# KiCad board antmicro-jetson-agx-csi-adapter.kicad_pcb (continued)
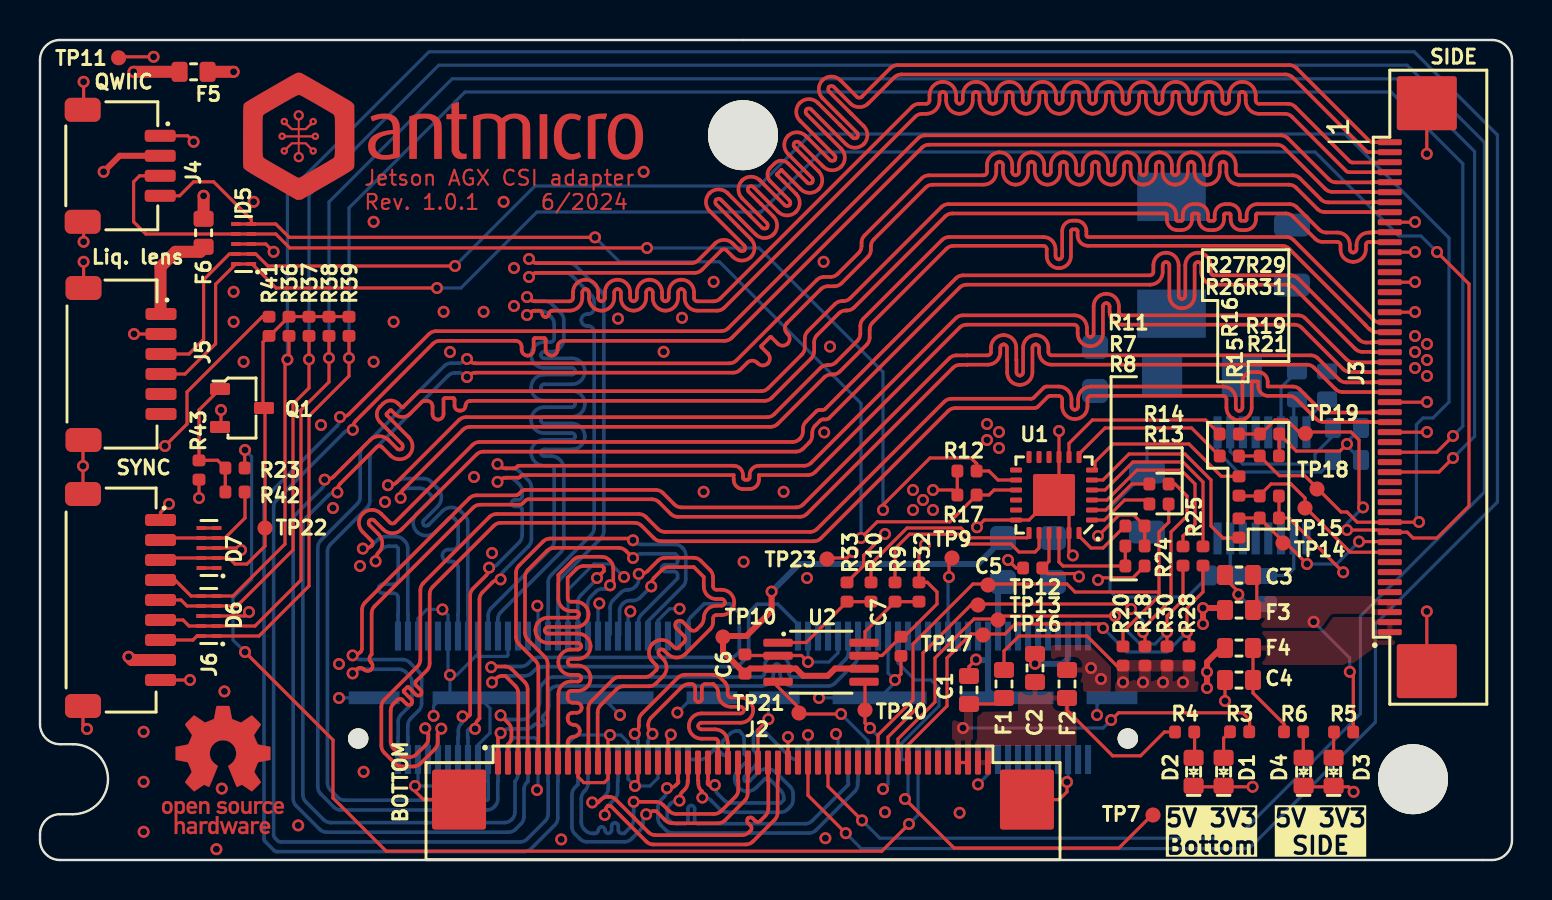
[diagram p0: board, top side]
## Footprints (pads in the part's own frame, mm; a bottom-side part is the same pattern mirrored in y, then rotated)
C_0402_1005Metric
  rrect 0.59x0.64 smd: 1(-0.48,0) 2(0.48,0)
C_0603_1608Metric
  rrect 0.8x1 smd: 1(-0.7,0) 2(0.7,0)
C_1206_3216Metric
  rrect 1.15x1.8 smd: 1(-1.5,-0.001) 2(1.5,-0.001)
Conn_FFC_WE_68715014x22
  rrect 0.3x1.2 smd: 1(-12.25,2.15) 2(-11.75,2.15) 3(-11.25,2.15) 4(-10.75,2.15) 5(-10.25,2.15) 6(-9.75,2.15) 7(-9.25,2.15) 8(-8.75,2.15) 9(-8.25,2.15) 10(-7.75,2.15) 11(-7.25,2.15) 12(-6.75,2.15) 13(-6.25,2.15) 14(-5.75,2.15) 15(-5.25,2.15) 16(-4.75,2.15) 17(-4.25,2.15) 18(-3.75,2.15) 19(-3.25,2.15) 20(-2.75,2.15) 21(-2.25,2.15) 22(-1.75,2.15) 23(-1.25,2.15) 24(-0.75,2.15) 25(-0.25,2.15) 26(0.248,2.15) 27(0.748,2.15) 28(1.249,2.15) 29(1.749,2.15) 30(2.249,2.15) 31(2.749,2.15) 32(3.249,2.15) 33(3.749,2.15) 34(4.248,2.15) 35(4.748,2.15) 36(5.248,2.15) 37(5.749,2.15) 38(6.249,2.15) 39(6.749,2.15) 40(7.249,2.15) 41(7.749,2.15) 42(8.249,2.15) 43(8.749,2.15) 44(9.249,2.15) 45(9.749,2.15) 46(10.249,2.15) 47(10.749,2.15) 48(11.249,2.15) 49(11.749,2.15) 50(12.249,2.15)
  rrect 2.7x3 smd: MP1(-14.198,0.3) MP2(14.198,0.3)
Conn_FFC_WE_68715014x22_CUSTOM_FLIPPED
  rrect 0.3x1.2 smd: 1(12.249,2.15) 2(11.749,2.15) 3(11.249,2.15) 4(10.749,2.15) 5(10.249,2.15) 6(9.749,2.15) 7(9.249,2.15) 8(8.749,2.15) 9(8.249,2.15) 10(7.749,2.15) 11(7.249,2.15) 12(6.749,2.15) 13(6.249,2.15) 14(5.749,2.15) 15(5.248,2.15) 16(4.748,2.15) 17(4.248,2.15) 18(3.749,2.15) 19(3.249,2.15) 20(2.749,2.15) 21(2.249,2.15) 22(1.749,2.15) 23(1.249,2.15) 24(0.748,2.15) 25(0.248,2.15) 26(-0.25,2.15) 27(-0.75,2.15) 28(-1.25,2.15) 29(-1.75,2.15) 30(-2.25,2.15) 31(-2.75,2.15) 32(-3.25,2.15) 33(-3.75,2.15) 34(-4.25,2.15) 35(-4.75,2.15) 36(-5.25,2.15) 37(-5.75,2.15) 38(-6.25,2.15) 39(-6.75,2.15) 40(-7.25,2.15) 41(-7.75,2.15) 42(-8.25,2.15) 43(-8.75,2.15) 44(-9.25,2.15) 45(-9.75,2.15) 46(-10.25,2.15) 47(-10.75,2.15) 48(-11.25,2.15) 49(-11.75,2.15) 50(-12.25,2.15)
  rrect 2.7x3 smd: MP1(-14.198,0.3) MP2(14.198,0.3)
Conn_JST_SH_1x4_SM04B-SRSS-TB-LF-SN
  rrect 0.6x1.55 smd: 1(-1.5,2.12) 2(-0.5,2.12) 3(0.5,2.12) 4(1.5,2.12)
  rrect 1.2x1.8 smd: MP(-2.8,-1.755) MP(2.8,-1.755)
Conn_JST_SH_1x6_SM06B-SRSS-TB-LF-SN
  rrect 0.6x1.55 smd: 1(-2.5,2.1) 2(-1.5,2.1) 3(-0.5,2.1) 4(0.5,2.1) 5(1.5,2.1) 6(2.5,2.1)
  rrect 1.2x1.8 smd: MP(-3.8,-1.775) MP(3.8,-1.775)
Conn_JST_SH_1x9_SM09B-SRSS-TB-LF-SN
  rrect 0.6x1.55 smd: 1(-4,2.12) 2(-3,2.12) 3(-2,2.12) 4(-1,2.12) 5(0,2.12) 6(1,2.12) 7(2,2.12) 8(3,2.12) 9(4,2.12)
  rrect 1.2x1.8 smd: MP(-5.3,-1.755) MP(5.3,-1.755)
Conn_Plug_Samtec_QTH_2x60_QTH-060-03-L-D-A
  round 1.02 hole 1.02 unplated: (-19.239,2.036) (19.239,2.036)
  rect 0.305x1.45 smd: 1(-17.251,3.086) 2(-17.251,-3.086) 3(-16.751,3.086) 4(-16.751,-3.086) 5(-16.251,3.086) 6(-16.251,-3.086) 7(-15.751,3.086) 8(-15.751,-3.086) 9(-15.251,3.086) 10(-15.251,-3.086) 11(-14.751,3.086) 12(-14.751,-3.086) 13(-14.251,3.086) 14(-14.251,-3.086) 15(-13.751,3.086) 16(-13.751,-3.086) 17(-13.251,3.086) 18(-13.251,-3.086) 19(-12.751,3.086) 20(-12.751,-3.086) 21(-12.251,3.086) 22(-12.251,-3.086) 23(-11.751,3.086) 24(-11.751,-3.086) 25(-11.251,3.086) 26(-11.251,-3.086) 27(-10.751,3.086) 28(-10.751,-3.086) 29(-10.251,3.086) 30(-10.251,-3.086) 31(-9.751,3.086) 32(-9.751,-3.086) 33(-9.251,3.086) 34(-9.251,-3.086) 35(-8.751,3.086) 36(-8.751,-3.086) 37(-8.251,3.086) 38(-8.251,-3.086) 39(-7.751,3.086) 40(-7.751,-3.086) 41(-7.251,3.086) 42(-7.251,-3.086) 43(-6.751,3.086) 44(-6.751,-3.086) 45(-6.251,3.086) 46(-6.251,-3.086) 47(-5.751,3.086) 48(-5.751,-3.086) 49(-5.251,3.086) 50(-5.251,-3.086) 51(-4.751,3.086) 52(-4.751,-3.086) 53(-4.251,3.086) 54(-4.251,-3.086) 55(-3.751,3.086) 56(-3.751,-3.086) 57(-3.251,3.086) 58(-3.251,-3.086) 59(-2.751,3.086) 60(-2.751,-3.086) 61(2.751,3.086) 62(2.751,-3.086) 63(3.251,3.086) 64(3.251,-3.086) 65(3.751,3.086) 66(3.751,-3.086) 67(4.252,3.086) 68(4.252,-3.086) 69(4.752,3.086) 70(4.752,-3.086) 71(5.252,3.086) 72(5.252,-3.086) 73(5.752,3.086) 74(5.752,-3.086) 75(6.252,3.086) 76(6.252,-3.086) 77(6.752,3.086) 78(6.752,-3.086) 79(7.252,3.086) 80(7.252,-3.086) 81(7.752,3.086) 82(7.752,-3.086) 83(8.252,3.086) 84(8.252,-3.086) 85(8.752,3.086) 86(8.752,-3.086) 87(9.252,3.086) 88(9.252,-3.086) 89(9.752,3.086) 90(9.752,-3.086) 91(10.252,3.086) 92(10.252,-3.086) 93(10.752,3.086) 94(10.752,-3.086) 95(11.252,3.086) 96(11.252,-3.086) 97(11.752,3.086) 98(11.752,-3.086) 99(12.252,3.086) 100(12.252,-3.086) 101(12.752,3.086) 102(12.752,-3.086) 103(13.252,3.086) 104(13.252,-3.086) 105(13.752,3.086) 106(13.752,-3.086) 107(14.252,3.086) 108(14.252,-3.086) 109(14.752,3.086) 110(14.752,-3.086) 111(15.252,3.086) 112(15.252,-3.086) 113(15.752,3.086) 114(15.752,-3.086) 115(16.251,3.086) 116(16.251,-3.086) 117(16.752,3.086) 118(16.752,-3.086) 119(17.252,3.086) 120(17.252,-3.086)
  rect 2.54x0.64 smd: MP(-18.441,0) MP(-1.551,0) MP(1.562,0) MP(18.452,0)
  rect 4.7x0.64 smd: MP(-13.172,0) MP(-6.822,0) MP(6.833,0) MP(13.183,0)
D_SMA
  rect 2.007x2.007 smd: 1(-1.995,0) 2(1.995,0)
F_0603_1608Metric
  rrect 0.8x1 smd: 1(-0.7,0) 2(0.7,0)
L_2525_6363Metric
  rect 2.413x3.429 smd: 1(-2.908,0.027) 2(2.934,0.027)
LED_0603_1608Metric_G
  rrect 0.8x1 smd: 1(-0.7,0) 2(0.7,0)
MP_NPTH_Drill3.5mm
  round 3.5 hole 3.5 unplated: (0,0)
Nexperia_DFN-10_2.5x1mm_P0.5mm
  rect 0.2x0.475 smd: 1(-1,-0.388) 2(-0.5,-0.388) 3(0,-0.388) 4(0.5,-0.388) 5(1,-0.388) 6(1,0.388) 7(0.5,0.388) 8(0,0.388) 9(-0.501,0.388) 10(-1,0.388)
QSOP-16_3.9x4.9mm_P0.635mm
  rect 1.6x0.41 smd: 1(-2.656,2.223) 2(-2.656,1.589) 3(-2.656,0.954) 4(-2.656,0.318) 5(-2.656,-0.315) 6(-2.656,-0.951) 7(-2.656,-1.586) 8(-2.656,-2.221) 9(2.652,-2.221) 10(2.652,-1.586) 11(2.652,-0.951) 12(2.652,-0.315) 13(2.652,0.318) 14(2.652,0.954) 15(2.652,1.589) 16(2.652,2.223)
R_0402_1005Metric
  rrect 0.59x0.64 smd: 1(-0.48,0) 2(0.48,0)
R_0603_1608Metric
  rrect 0.8x1 smd: 1(-0.7,0) 2(0.7,0)
R_0805_2012Metric
  rrect 1.2x1.3 smd: 1(-1.1,0) 2(1.1,0)
SOT-23-3
  rrect 1x0.6 smd: 1(-1.1,0.951) 2(-1.1,-0.949) 3(1.1,0.001)
TP_SMD_0.75mm
  round 0.75 smd: 1(0,0)
TSSOP-8_3x3mm_P0.65mm
  rrect 1.47x0.4 smd: 1(-2.148,0.962) 2(-2.148,0.313) 3(-2.148,-0.338) 4(-2.148,-0.987) 5(2.151,-0.987) 6(2.151,-0.338) 7(2.151,0.313) 8(2.151,0.962)
VQFN-24-1EP_3.8x3.8x1.0mm_P0.5mm
  rrect 0.6x0.25 smd: 1(-1.901,1.25) 2(-1.901,0.75) 3(-1.901,0.25) 4(-1.901,-0.248) 5(-1.901,-0.748) 6(-1.901,-1.249) 13(1.898,-1.249) 14(1.898,-0.748) 15(1.898,-0.248) 16(1.898,0.25) 17(1.898,0.75) 18(1.898,1.252)
  rrect 0.25x0.6 smd: 7(-1.252,-1.898) 8(-0.751,-1.898) 9(-0.25,-1.898) 10(0.248,-1.898) 11(0.748,-1.898) 12(1.249,-1.898) 19(1.249,1.901) 20(0.748,1.901) 21(0.248,1.901) 22(-0.25,1.901) 23(-0.75,1.901) 24(-1.252,1.901)
  rrect 2.1x2.1 smd: 25(0,0.001)

## Nets
+1V8: C6.2 R1.2 TP10.1 U2.3 U2.6
+3V3: C5.2 C7.2 C8.2 F1.2 F3.2 F5.2 L1.1 R2.2 R7.2 R11.2 R12.2 R17.2 R18.2 R19.2 R20.2 R21.2 R28.2 R29.2 R30.2 R31.2 R32.2 R33.2 R34.2 R35.2 R41.2 TP11.1 U1.21 U2.7
+5V: F2.2 F4.2 F6.2 R22.2 TP23.1
/Auxiliary/3V3_AUX_F: F5.1 J4.2 J6.8
/Auxiliary/5V_C: C12.2 D8.1 R22.1 R40.2
/Auxiliary/5V_LL: F6.1 J5.1
/Interface/1V8_CONN: J1.102 R1.1
/Interface/3V3_CONN: J1.108 J1.110 J1.118 J1.120 R2.1
/Interface/3V3_FFC_B: C1.1 F1.1 J2.47 J2.48 R3.1
/Interface/3V3_FFC_S: C3.1 F3.1 J3.47 J3.48 R5.1
/Interface/5V_FFC_B: C2.1 F2.1 J2.49 J2.50 R4.1
/Interface/5V_FFC_S: C4.1 F4.1 J3.49 J3.50 R6.1
AVDD_CAM_2V8: J1.81 J1.82 J1.83 TP7.1
GND: C1.2 C2.2 C3.2 C4.2 C5.1 C6.1 C7.1 C8.1 C9.1 C10.2 C11.1 C12.1 D1.1 D2.1 D3.1 D4.1 D5.3 D5.8 D6.3 D6.8 D7.3 D7.8 J1.5 J1.6 J1.11 J1.12 J1.17 J1.18 J1.23 J1.24 J1.29 J1.30 J1.35 J1.36 J1.41 J1.42 J1.47 J1.48 J1.53 J1.54 J1.63 J1.64 J1.69 J1.70 J1.79 J1.80 J1.99 J1.100 J1.115 J1.116 J1.MP J2.9 J2.12 J2.15 J2.18 J2.27 J2.30 J2.MP1 J2.MP2 J3.9 J3.12 J3.15 J3.18 J3.27 J3.30 J3.MP1 J3.MP2 J4.1 J4.MP J5.2 J5.MP J6.1 J6.9 J6.MP Q1.2 R8.1 R43.1 U1.9 U1.18 U1.23 U1.25 U2.2 U3.6 U3.9 U3.11 U3.12 U3.13 U3.14
/Auxiliary/AUX_I2C_SCL: D5.5 D5.6 J4.4 R17.1 U1.15
/Auxiliary/AUX_I2C_SDA: D5.4 D5.7 J4.3 R12.1 U1.14
/Auxiliary/CAM_SYNC: Q1.1 R23.1 R42.1 R43.2
/Auxiliary/CAM_SYNC_3V3: D7.2 D7.9 J6.3 Q1.3 R36.2 R37.2 R38.2 R39.2 R41.1 TP22.1
/Auxiliary/EXT_CAM_SYNC: D7.4 D7.7 J6.2 R42.2
/Auxiliary/MAX_OUT: C11.2 R40.1 U3.10 U3.15 U3.16
/Auxiliary/SCL_3V3: R10.1 R33.1 U2.1
/Auxiliary/SDA_3V3: R9.1 R32.1 U2.8
/Interface/CAM1_RST: J1.92 TP9.1
/Interface/CAM1_RST_3V3: J3.33
/Interface/CAM_RST_3V3: J2.33
/Interface/CSI0_CLK_N: J1.9 J3.28
/Interface/CSI0_CLK_P: J1.7 J3.29
/Interface/CSI0_D0_N: J1.3 J3.25
/Interface/CSI0_D0_P: J1.1 J3.26
/Interface/CSI0_D1_N: J1.15 J3.23
/Interface/CSI0_D1_P: J1.13 J3.24
/Interface/CSI1_CLK_N: J1.10
/Interface/CSI1_CLK_P: J1.8
/Interface/CSI1_D0_N: J1.4 J3.21
/Interface/CSI1_D0_P: J1.2 J3.22
/Interface/CSI1_D1_N: J1.16 J3.19
/Interface/CSI1_D1_P: J1.14 J3.20
/Interface/CSI2_CLK_N: J1.27 J3.10
/Interface/CSI2_CLK_P: J1.25 J3.11
/Interface/CSI2_D0_N: J1.21 J3.7
/Interface/CSI2_D0_P: J1.19 J3.8
/Interface/CSI2_D1_N: J1.33 J3.5
/Interface/CSI2_D1_P: J1.31 J3.6
/Interface/CSI3_CLK_N: J1.28
/Interface/CSI3_CLK_P: J1.26
/Interface/CSI3_D0_N: J1.22 J3.3
/Interface/CSI3_D0_P: J1.20 J3.4
/Interface/CSI3_D1_N: J1.34 J3.1
/Interface/CSI3_D1_P: J1.32 J3.2
/Interface/CSI4_CLK_N: J1.45 J2.29
/Interface/CSI4_CLK_P: J1.43 J2.28
/Interface/CSI4_D0_N: J1.39 J2.25
/Interface/CSI4_D0_P: J1.37 J2.26
/Interface/CSI4_D1_N: J1.51 J2.23
/Interface/CSI4_D1_P: J1.49 J2.24
/Interface/CSI5_CLK_N: J1.67
/Interface/CSI5_CLK_P: J1.65
/Interface/CSI5_D0_N: J1.61 J2.21
/Interface/CSI5_D0_P: J1.59 J2.22
/Interface/CSI5_D1_N: J1.73 J2.19
/Interface/CSI5_D1_P: J1.71 J2.20
/Interface/CSI6_CLK_N: J1.46 J2.10
/Interface/CSI6_CLK_P: J1.44 J2.11
/Interface/CSI6_D0_N: J1.40 J2.7
/Interface/CSI6_D0_P: J1.38 J2.8
/Interface/CSI6_D1_N: J1.52 J2.5
/Interface/CSI6_D1_P: J1.50 J2.6
/Interface/CSI7_CLK_N: J1.68
/Interface/CSI7_CLK_P: J1.66
/Interface/CSI7_D0_N: J1.62 J2.3
/Interface/CSI7_D0_P: J1.60 J2.4
/Interface/CSI7_D1_N: J1.74 J2.1
/Interface/CSI7_D1_P: J1.72 J2.2
CAM0_SCL: J2.40 R14.2 R18.1 TP13.1
CAM0_SDA: J2.39 R13.2 R20.1 TP12.1
CAM1_SCL: J2.42 R25.2 R28.1 TP17.1
CAM1_SDA: J2.41 R24.2 R30.1 TP16.1
CAM2_SCL: J3.42 R16.2 R19.1 TP15.1
CAM2_SDA: J3.41 R15.2 R21.1 TP14.1
CAM3_SCL: D5.1 D5.10 J3.40 J5.4 R27.2 R29.1 TP19.1
CAM3_SDA: D5.2 D5.9 J3.39 J5.3 R26.2 R31.1 TP18.1
GPIO10: J1.85 R23.2
I2C_GP3_CLK: J1.75 TP21.1 U2.4
I2C_GP3_DAT: J1.77 TP20.1 U2.5
VSYNC_CAM0_3V3: D6.5 D6.6 J2.32 J6.4 R36.1
VSYNC_CAM1_3V3: D6.4 D6.7 J2.34 J6.5 R37.1
VSYNC_CAM2_3V3: D6.2 D6.9 J3.34 J6.6 R38.1
VSYNC_CAM3_3V3: D6.1 D6.10 J3.32 J6.7 R39.1
Net-(D1-A): D1.2 R3.2
Net-(D2-A): D2.2 R4.2
Net-(D3-A): D3.2 R5.2
Net-(D4-A): D4.2 R6.2
Net-(D8-A): D8.2 L1.2 U3.3 U3.4 U3.5
Net-(U1-A0): R7.1 R8.2 U1.22
Net-(U1-SC0): R14.1 U1.2
Net-(U1-SC1): R25.1 U1.4
Net-(U1-SC2): R16.1 U1.6
Net-(U1-SC3): R27.1 U1.8
Net-(U1-SCL): R10.2 U1.19
Net-(U1-SD0): R13.1 U1.1
Net-(U1-SD1): R24.1 U1.3
Net-(U1-SD2): R15.1 U1.5
Net-(U1-SD3): R26.1 U1.7
Net-(U1-SDA): R9.2 U1.20
Net-(U1-~{RESET}): R11.1 U1.24
Net-(U3-ONA): R35.1 U3.2
Net-(U3-REF): C10.1 U3.8
Net-(U3-SS/LIM): C9.2 U3.7
Net-(U3-~{ONB}): R34.1 U3.1

Pads without a net: D7 1 5 6 10; J1 55 56 57 58 76 78 84 86 87 88 89 90 91 93 94 95 96 97 98 101 103 104 105 106 107 109 111 112 113 114 117 119; J2 13 14 16 17 31 35 36 37 38 43 44 45 46; J3 13 14 16 17 31 35 36 37 38 43 44 45 46; J5 5 6; U1 10 11 12 13 16 17

## Via types
v1: diameter 0.6, hole 0.35, Top to Bottom, 225 vias

## Routing (per net, layer and track width the routed paths; a pad name or vN(x,y) marks a point on that pad's centre or on a via; arc(x,y) is an arc through that point)
+1V8: length 25.3
  Top w0.3: 41.25,9.58 39.75,9.58 39.39,9.21 38.16,9.21 37.8,9.58 35.51,9.58 35.25,9.31 34.15,10.42 34.15,11.2 35.32,11.2 36.58,12.46 v1(36.58,13.42)
  Bottom w0.3: v1(36.58,13.42) 37.96,14.8 46.9,14.8 48.15,16.05
+3V3: length 55.4
  Top w0.16: 55.25,8.98 v1(55.15,8.89) ; 43.22,11.17 44.85,12.8 44.85,13.4 44.37,13.89 43.95,13.89 43.95,15.46 v1(44.25,15.76) ; 3.93,40.16 v1(5.68,40.16) ; v1(65.35,20.8) 65,20.45 62.82,20.45 61.97,21.3 61.97,20.22 ; 11.45,27.17 11.12,27.17 7.35,23.4 7.35,21.8 v1(6.25,20.7) ; 50.45,16.2 50.45,14.93 50.12,14.6 50.4,14.32 51.8,14.32 v1(51.95,14.17) ; v1(44.65,18.5) 45.62,18.5 45.87,18.25 45.87,19.45 ; 43.05,11.17 42.11,10.22 41.25,10.22 ; v1(42.25,16.3) 41.18,15.23 41.18,14.72 40.35,13.89 ; v1(65.16,14.39) 62.45,17.1 61.95,17.1 61.95,18.2 ; 54.15,9.72 53.84,9.72 52.35,11.2 48.95,11.2 48.2,10.45 48.2,9.69 ; 55.24,15.7 55.24,16.7 54.69,17.25 53.95,17.25 v1(52.9,16.2)
  Top w0.3: 59.06,12.5 58.96,12.6 v1(58.15,12.6) v1(58.15,11.8)
  Top w0.6: 8.57,39.41 v1(9.68,39.41)
  Bottom w0.16: R35.2 65.35,20.9 v1(65.35,20.8) 65.35,20.7 R34.2
  vias: v1(43.65,18.5) v1(43.65,17.5) v1(44.15,18) v1(44.65,17.5) v1(54.15,8.89) v1(56.15,8.89) v1(57.15,8.89)
+5V: length 4.6
  Top w0.16: v1(40.65,15.4) 40.35,15.1 39.35,15.1
  Top w0.3: 59.06,10.6 58.35,9.89 v1(58.35,8.6)
  Top w0.6: 8.18,32.3 v1(8.18,33.21)
  vias: v1(47.35,21.8) v1(47.35,21) v1(47.95,21.4) v1(47.95,20.6) v1(52.55,9.6) v1(53.05,9.05) v1(58.35,9.4)
/Auxiliary/3V3_AUX_F: length 7
  Top w0.3: v1(3.18,34.41) 3.98,35.21 6.06,35.21
  Top w0.6: v1(4.68,39.41) 6.79,39.41 ; v1(4.43,10.16) 4.59,10 J6.8
/Auxiliary/5V_C: length 13.8
  Bottom w0.16: 55.35,21 55.35,19.45 53.5,17.6 53.5,13.45 53.8,13.15 57.37,13.15 R40.2
/Auxiliary/5V_LL: length 4.9
  Top w0.6: 8.15,30.55 8.01,30.41 6.78,30.41 6.03,29.66 6.03,27.3
/Interface/1V8_CONN: length 2.9
  Bottom w0.3: J1.102 47.9,13.7 48.15,13.95
/Interface/3V3_FFC_B: length 17.5
  Top w0.16: 46.4,4.88 45.9,4.88 ; v1(53.56,7) 53.57,7 53.93,7.36 60.13,7.36 60.48,7.01 60.48,6.42 ; C1.1 48.09,7.8
  Bottom w0.16: v1(53.56,7) 53.16,6.6 v1(46.15,6.6)
/Interface/3V3_FFC_S: length 7.9
  Top w0.16: v1(65.49,9.41) 65.66,9.24 65.66,6.4 ; 60.84,12.5 60.84,14.06
  Bottom w0.16: v1(65.49,9.41) 65.49,10.1 v1(63.68,11.91)
/Interface/5V_FFC_B: length 7.3
  Top w0.16: 56.75,6.4 56.22,6.4 55.03,5.21 53.63,5.21 51.35,7.49 51.35,7.91
/Interface/5V_FFC_S: length 4.8
  Top w0.16: F4.1 C4.1 60.65,8.35 62.2,6.8 R6.1
AVDD_CAM_2V8: length 24.9
  Top w0.16: 55.65,2.3 53.95,0.6 45.7,0.6 v1(43.25,3.05)
  Bottom w0.16: J1.81 43.08,5.02 ; 43.08,5.02 J1.83 43.4,3.2 v1(43.25,3.05) ; 43.08,5.02 43.08,5.83 44.95,7.7 44.95,8.6 44.55,9 43.75,9 42.9,9.85 J1.82
GND: length 162.7
  Top w0.16: 50.95,18.5 v1(50.95,21.45) ; v1(2.35,6.55) 2.15,6.75 J6.MP ; v1(69.35,21.4) 69.34,21.39 67.49,21.39 ; C1.2 46.45,9.67 v1(46.8,10.02) ; v1(68.75,27.4) 68.74,27.39 J3.18 ; J6.9 v1(7.5,9) ; 6.03,26.3 v1(4.7,26.3) ; 50.7,18.25 49.45,17 47.21,17 v1(46.85,16.64) ; 9.05,21.65 v1(9.05,22.5) ; 2.15,21 v1(2.15,19.7) J6.MP ; v1(11.68,30.41) 11.29,30.8 D5.3 D5.8 ; v1(68.75,30.4) 68.74,30.39 J3.12 ; 55.24,14.7 54.65,14.11 53.01,14.11 v1(52.9,14) ; v1(29.75,3.7) 29.9,3.85 29.9,4.88 ; D7.8 9.95,15.6 v1(10.05,15.5) ; v1(51.35,3.9) 51.35,3.41 50.96,3.02 J2.MP2 ; J3.MP2 v1(69.34,35.31) ; J3.MP1 v1(69.34,12.43) ; v1(10.45,12.4) 10.25,12.2 D6.3 D6.8 ; 6.06,36.21 7.38,36.21 v1(7.68,35.91) ; v1(65.68,3.41) 65.43,3.66 63.18,3.66 ; C2.2 v1(49.75,9.81) ; v1(18.75,3.7) 18.75,3.44 19.16,3.03 20.95,3.03 ; v1(6.45,17.8) 6.03,17.38 J6.1 ; 2.18,37.51 v1(2.18,38.91) ; v1(38.4,9.9) 38.08,10.22 35.31,10.22 ; v1(68.75,28.9) 68.74,28.89 J3.15 ; 7.95,19.02 v1(7.95,18.1) ; v1(68.75,31.9) 68.74,31.89 J3.9 ; v1(48.4,15) 48.8,14.6 49.15,14.6 ; v1(2.18,29.91) 2.18,28.63 ; v1(42.75,9) 43.05,9.3 43.05,10.2 ; 51.45,17.5 51.45,15.42 v1(51.64,15.23) ; 67.49,22.89 69.34,22.89 v1(69.35,22.9) ; v1(36.42,7.04) 35.9,6.52 35.9,4.88 ; 37.4,4.88 v1(37.4,6.15) ; 59.25,14.08 59.92,13.41 v1(59.92,13.28) ; 57.73,3.66 v1(60.63,3.66) ; 31.4,4.88 31.4,6.13 v1(31.54,6.27) ; v1(28.5,6.25) 28.4,6.15 28.4,4.06 28.21,3.87 27.19,3.87 26.9,4.16 26.9,4.88 ; 2.18,31.91 v1(2.18,30.91) ; C4.2 v1(59.25,7.95)
  Bottom w0.16: J1.5 18.9,3.85 v1(18.75,3.7) 19.96,3.7 20.4,4.14 J1.11 ; 53.19,8.11 52.85,7.77 v1(52.85,7.25) ; 32.61,8.11 v1(31.87,7.37) ; v1(20.5,9.25) 20.4,9.35 J1.12 20.4,12.25 v1(20.12,12.53) 19.35,12.53 18.9,12.08 J1.6 ; v1(20.5,9.25) 20.5,8.11 ; v1(20.5,9.25) 20.84,9.25 21.77,10.18 ; v1(42.15,3.55) 42.4,3.8 J1.79 ; v1(14.95,8.1) 14.96,8.11 J1.MP ; 20.08,8.11 19.68,7.71 v1(19.68,7.21) ; 28.33,7.92 v1(29,7.25) ; J1.23 23.4,5.8 23.71,6.11 24.74,6.11 24.9,5.95 J1.29 24.9,3.55 v1(24.85,3.5) ; J1.70 39.9,10.36 39.44,9.9 v1(38.4,9.9) 38.4,11.19 ; v1(39.8,6.3) 39.9,6.2 J1.69 ; C9.1 62.05,23.63 62.05,21.38 ; v1(46.9,3.78) 47.4,4.28 J1.99 ; v1(29.2,14.15) 28.55,14.8 27.69,14.8 26.4,13.51 J1.36 ; J1.MP 22.5,7.59 22.5,6.35 21.9,5.75 J1.17 ; J1.48 29.4,12.31 v1(29.52,12.43) ; J1.54 30.9,11.98 31.48,12.56 v1(31.98,12.56) ; 27.89,6.25 27.9,6.24 J1.41 ; 27.89,6.25 v1(28.5,6.25) 29.05,6.25 29.4,5.9 J1.47 29.4,4.05 v1(29.75,3.7) 30.5,3.7 30.9,4.1 J1.53 ; 27.89,6.25 26.82,6.25 26.4,5.83 J1.35 ; v1(38.4,6.25) 38.4,6.25 J1.63 ; J1.80 42.4,9.35 v1(42.75,9) 42.75,8.88 J1.MP 38.96,8.11 v1(38.95,8.1) ; v1(51.35,3.9) 51.35,4.09 51.4,4.14 J1.115 ; 21.77,10.18 23.34,10.18 23.4,10.24 J1.24 ; 21.77,10.18 21.9,10.31 J1.18 ; v1(59.92,13.28) 60.4,12.8 C11.1 ; J1.30 24.9,12.68 v1(24.87,12.71) ; v1(27.97,12.83) 27.9,12.76 J1.42 ; J1.MP 36.42,7.82 v1(36.42,7.04)
  Bottom w0.3: J1.116 51.4,10.08 51.14,9.81 v1(49.75,9.81) ; 47.4,9.99 46.83,9.99 v1(46.8,10.02) ; 47.4,9.99 47.4,8.47 47.76,8.11 J1.MP ; 47.4,9.99 J1.100
  vias: v1(5.18,6.41) v1(5.18,3.91) v1(5.18,1.41) v1(8.82,0.54) v1(9.09,3.57) v1(9.22,8.43) v1(9.68,28.41) v1(9.68,26.91) v1(10.18,24.91) v1(10.68,32.91) v1(12.91,1.73) v1(14.05,21.75) v1(14.65,17.6) v1(14.95,9.8) v1(16,14.7) v1(16.18,4.41) v1(16.68,31.91) v1(16.68,24.91) v1(17.25,17.9) v1(17.68,26.91) v1(20.18,27.41) v1(20.5,25.4) v1(21.7,19.15) v1(22.18,27.41) v1(22.6,15.35) v1(23.18,32.91) v1(23.7,29.6) v1(23.7,27.7) v1(26.06,1.03) v1(28.9,27.07) v1(30.18,34.41) v1(31.18,25.41) v1(32.1,27.11) v1(33.18,18.41) v1(33.68,28.91) v1(35.18,14.91) v1(37.18,18.41) v1(38.35,14.1) v1(39.18,29.91) v1(39.21,21.38) v1(39.27,1.09) v1(39.5,25.67) v1(42.25,2.39) v1(45.98,2.36) v1(68.75,26.2) v1(68.75,25.4) v1(68.75,24.6) v1(69.35,25.8) v1(69.35,25) v1(69.35,24.2)
/Auxiliary/AUX_I2C_SCL: length 56.1
  Top w0.16: 48.65,18.5 47.7,18.5 47.45,18.25 46.84,18.25 45.5,16.91 41.86,16.91 v1(41.05,16.1) ; D5.5 D5.6 ; D5.5 10.57,32.02 8.68,33.91 7.68,33.91 6.98,33.21 6.06,33.21 ; D5.5 11.79,31.8 12.46,31.13 v1(27.75,31.13)
  Bottom w0.16: v1(41.05,16.1) 41.05,22.83 33.97,29.91 28.97,29.91 v1(27.75,31.13)
/Auxiliary/AUX_I2C_SDA: length 59.4
  Top w0.16: 48.65,19 47.9,19 47.45,19.45 46.84,19.45 46.84,19.81 46.55,20.1 44.5,20.1 42.15,17.75 v1(42.15,17.5) ; 6.06,34.21 4.98,34.21 4.68,33.91 4.68,31.91 5.29,31.3 D5.7 D5.4 11.79,31.3 12.49,30.6 30.35,30.6 v1(30.35,30.6)
  Bottom w0.16: v1(42.15,17.5) 42.15,24.4 35.95,30.6 v1(30.35,30.6)
/Auxiliary/CAM_SYNC: length 6.5
  Top w0.16: 9.27,18.4 9.27,19.6 8.88,19.98 7.95,19.98 ; 7.95,20.11 7.95,22.5 Q1.1
/Auxiliary/CAM_SYNC_3V3: length 20.5
  Top w0.16: 11.15,22.6 11.15,25.9 11.45,26.2 ; 6.12,15.1 D7.2 9.45,15.1 9.75,14.8 10.35,14.8 11.25,15.7 11.25,22.5 ; 15.45,27.17 12.45,27.17 11.48,26.2
/Auxiliary/EXT_CAM_SYNC: length 5.8
  Top w0.16: 10.25,18.39 10.25,17.1 9.25,16.1 D7.4 6.12,16.1
/Auxiliary/MAX_OUT: length 7.1
  Bottom w0.16: 61.35,14.23 62.35,14.23 62.69,14.57 62.69,16.07 ; 58.88,16.07 59.51,16.07 59.51,14.57 R40.1 ; C11.2 59.88,14.2
/Auxiliary/SCL_3V3: length 5.5
  Top w0.16: 36.85,10.88 38.31,10.88 40.35,12.92 41.55,12.92
/Auxiliary/SDA_3V3: length 3.9
  Top w0.16: 41.25,10.88 41.25,11.42 42.75,12.92 43.95,12.92
/Interface/CAM1_RST: length 3.8
  Top w0.16: v1(45.45,14.15) 45.45,15
  Bottom w0.16: J1.92 45.4,14.1 v1(45.45,14.15)
/Interface/CSI0_CLK_N: length 73.5
  Top w0.182: v1(20.07,6.57) 20.02,6.57 19.92,6.46 arc(19.89,6.37) 19.88,6.27 19.88,5.89 arc(19.84,5.7) 19.74,5.54 19.02,4.82 arc(18.86,4.72) 18.67,4.68 18.11,4.68 arc(17.92,4.72) 17.76,4.82 17.21,5.37 arc(17.11,5.53) 17.07,5.72 17.07,7.66 arc(17.11,7.85) 17.21,8.01 18.87,9.67 arc(18.98,9.83) 19.02,10.02 19.02,13.49 arc(19.06,13.68) 19.16,13.84 22.47,17.15 arc(22.64,17.26) 22.83,17.3 29.94,17.3 arc(30.13,17.26) 30.3,17.15 30.9,16.55 arc(31.06,16.44) 31.25,16.4 38.5,16.4 arc(38.69,16.44) 38.85,16.55 45.22,22.92 arc(45.38,23.02) 45.57,23.06 49.55,23.06 arc(49.63,23.08) 49.69,23.12 50.18,23.61 arc(50.25,23.66) 50.33,23.67 50.94,23.67 arc(51.39,23.49) 51.58,23.04 51.58,22.68 arc(51.62,22.56) 51.74,22.51 arc(51.86,22.56) 51.91,22.68 51.91,23.04 arc(52.09,23.49) 52.54,23.67 59.16,23.67 arc(59.6,23.49) 59.79,23.04 59.79,22.62 arc(59.84,22.5) 59.96,22.45 arc(60.07,22.5) 60.12,22.62 60.12,23.92 arc(60.26,24.26) 60.6,24.39 60.91,24.39 arc(61.25,24.26) 61.39,23.92 61.39,23.68 arc(61.39,23.68) 61.4,23.67 62.64,23.67 arc(62.83,23.63) 62.99,23.53 64,22.52 arc(64.16,22.41) 64.35,22.37 66.57,22.37 66.59,22.39 67.49,22.39
  Bottom w0.182: J1.9 19.9,6.11 19.88,6.13 19.88,6.27 arc(19.89,6.37) 19.92,6.46 20.02,6.57 v1(20.07,6.57)
/Interface/CSI0_CLK_P: length 73.5
  Top w0.182: v1(19.26,6.59) 19.3,6.59 19.31,6.57 arc(19.39,6.43) 19.42,6.27 19.42,6.08 arc(19.38,5.89) 19.27,5.73 18.83,5.29 arc(18.67,5.18) 18.48,5.14 18.3,5.14 arc(18.11,5.18) 17.95,5.29 17.68,5.56 arc(17.57,5.72) 17.53,5.91 17.53,7.47 arc(17.57,7.66) 17.68,7.82 17.87,8.02 arc(17.99,8.06) 18.11,8.02 18.33,7.79 arc(18.45,7.75) 18.57,7.79 arc(18.61,7.91) 18.57,8.03 18.19,8.4 arc(18.18,8.44) 18.19,8.47 18.36,8.64 arc(18.39,8.65) 18.43,8.64 18.8,8.26 arc(18.92,8.22) 19.03,8.26 arc(19.08,8.38) 19.03,8.5 18.81,8.72 arc(18.77,8.84) 18.81,8.95 19.34,9.48 arc(19.44,9.64) 19.48,9.83 19.48,13.3 arc(19.52,13.49) 19.63,13.65 22.69,16.71 arc(22.86,16.82) 23.05,16.86 29.72,16.86 arc(29.91,16.82) 30.08,16.71 30.71,16.08 arc(30.87,15.98) 31.06,15.94 38.69,15.94 arc(38.88,15.98) 39.04,16.08 45.41,22.45 arc(45.57,22.56) 45.76,22.6 49.74,22.6 arc(49.82,22.61) 49.89,22.66 50.38,23.15 arc(50.44,23.19) 50.52,23.21 50.94,23.21 arc(51.06,23.16) 51.11,23.04 51.11,22.68 arc(51.29,22.23) 51.74,22.05 arc(52.19,22.23) 52.37,22.68 52.37,23.04 arc(52.42,23.16) 52.54,23.21 59.16,23.21 arc(59.27,23.16) 59.32,23.04 59.32,22.62 arc(59.51,22.17) 59.96,21.99 arc(60.4,22.17) 60.59,22.62 60.59,23.92 arc(60.59,23.93) 60.6,23.93 60.91,23.93 arc(60.92,23.93) 60.92,23.92 60.92,23.68 arc(61.06,23.35) 61.4,23.21 62.45,23.21 arc(62.64,23.17) 62.8,23.06 63.81,22.05 arc(63.97,21.95) 64.16,21.91 66.57,21.91 66.59,21.89 67.49,21.89
  Bottom w0.182: J1.7 19.4,6.11 19.42,6.13 19.42,6.27 arc(19.39,6.43) 19.31,6.57 19.3,6.59 v1(19.26,6.59)
/Interface/CSI0_D0_N: length 73.5
  Top w0.182: v1(15.63,10.23) 15.64,10.23 arc(15.83,10.27) 15.99,10.38 16.04,10.42 arc(16.08,10.49) 16.1,10.56 16.1,12.51 arc(16.14,12.7) 16.25,12.86 21.47,18.09 arc(21.63,18.19) 21.82,18.23 23.79,18.23 arc(23.87,18.25) 23.93,18.29 24.09,18.44 arc(24.15,18.49) 24.23,18.5 30.79,18.5 arc(30.98,18.46) 31.14,18.36 31.72,17.78 arc(31.89,17.67) 32.08,17.63 37.8,17.63 arc(37.99,17.67) 38.16,17.78 45.46,25.08 arc(45.63,25.19) 45.82,25.23 46.35,25.23 46.35,25.23 47.39,25.23 arc(47.5,25.28) 47.55,25.39 47.55,25.62 arc(47.73,26.06) 48.17,26.24 48.19,26.24 arc(48.63,26.06) 48.81,25.62 48.81,25 48.82,25 48.82,24.38 arc(48.87,24.27) 48.98,24.22 49,24.22 arc(49.11,24.27) 49.16,24.38 49.16,25.62 arc(49.34,26.06) 49.78,26.24 49.8,26.24 arc(50.24,26.06) 50.42,25.62 50.42,25.39 arc(50.46,25.28) 50.57,25.23 63.54,25.23 arc(63.73,25.19) 63.89,25.09 64.95,24.03 arc(65.11,23.92) 65.31,23.88 66.58,23.88 66.59,23.89 J3.25
  Bottom w0.182: v1(15.63,10.23) 15.69,10.17 arc(15.85,10.06) 16.05,10.02 18.13,10.02 arc(18.32,9.98) 18.49,9.87 18.93,9.43 arc(19.04,9.26) 19.08,9.07 19.08,7.83 arc(19.04,7.64) 18.93,7.47 18.54,7.08 arc(18.43,6.91) 18.39,6.72 18.39,6.12 18.4,6.11 J1.3
/Interface/CSI0_D0_P: length 73.5
  Top w0.182: v1(15.63,9.33) 15.84,9.54 arc(16.01,9.61) 16.19,9.54 16.21,9.52 arc(16.38,9.45) 16.56,9.52 arc(16.63,9.7) 16.56,9.88 16.55,9.89 arc(16.47,10.07) 16.55,10.25 16.58,10.28 16.58,12.33 arc(16.62,12.53) 16.73,12.69 21.66,17.62 arc(21.82,17.73) 22.01,17.77 23.99,17.77 arc(24.06,17.78) 24.13,17.83 24.28,17.98 arc(24.34,18.02) 24.42,18.04 30.6,18.04 arc(30.79,18) 30.95,17.89 31.53,17.31 arc(31.7,17.2) 31.89,17.16 37.99,17.16 arc(38.18,17.2) 38.35,17.31 45.65,24.61 arc(45.82,24.72) 46.01,24.76 46.36,24.76 46.37,24.77 47.39,24.77 arc(47.83,24.95) 48.01,25.39 48.01,25.62 arc(48.06,25.73) 48.17,25.78 48.19,25.78 arc(48.3,25.73) 48.35,25.62 48.35,25 48.36,25 48.36,24.38 arc(48.54,23.94) 48.98,23.76 49,23.76 arc(49.44,23.94) 49.62,24.38 49.62,25.62 arc(49.67,25.73) 49.78,25.78 49.8,25.78 arc(49.91,25.73) 49.95,25.62 49.95,25.39 arc(50.14,24.95) 50.57,24.77 63.35,24.77 arc(63.54,24.73) 63.7,24.62 64.78,23.55 arc(64.94,23.44) 65.13,23.4 66.58,23.4 66.59,23.39 67.49,23.39
  Bottom w0.182: J1.1 17.9,6.11 17.91,6.12 17.91,6.92 arc(17.95,7.11) 18.05,7.28 18.45,7.67 arc(18.56,7.84) 18.6,8.03 18.6,8.87 arc(18.56,9.06) 18.45,9.23 18.29,9.39 arc(18.12,9.5) 17.93,9.54 16.05,9.54 arc(15.85,9.5) 15.69,9.39 v1(15.63,9.33)
/Interface/CSI0_D1_N: length 70.3
  Top w0.182: v1(23.03,14.03) 22.98,14.03 arc(22.79,13.99) 22.62,13.88 22.12,13.38 arc(22.01,13.22) 21.97,13.03 21.97,7.07 21.9,7 arc(21.79,6.84) 21.75,6.65 v1(21.75,6.56) ; J3.23 66.59,24.89 66.58,24.88 65.68,24.88 arc(65.48,24.92) 65.32,25.03 63.26,27.09 arc(63.1,27.19) 62.91,27.23 54.11,27.23 arc(53.99,27.28) 53.94,27.4 53.94,27.68 arc(53.76,28.13) 53.31,28.31 arc(52.87,28.13) 52.68,27.68 52.68,26.32 arc(52.63,26.2) 52.52,26.15 arc(52.4,26.2) 52.35,26.32 52.35,26.6 arc(52.16,27.05) 51.72,27.23 46.14,27.23 arc(45.95,27.19) 45.79,27.09 38.56,19.86 arc(38.4,19.75) 38.21,19.71 35.95,19.71 arc(35.62,19.58) 35.48,19.25 35.48,19.11 arc(35.45,19.04) 35.38,19.01 35.25,19.01 arc(35.18,19.04) 35.15,19.11 35.15,19.25 arc(35.01,19.58) 34.68,19.71 23.94,19.71 arc(23.91,19.71) 23.87,19.68 23.8,19.61 arc(23.77,19.59) 23.73,19.58 23.29,19.58 arc(23.1,19.62) 22.94,19.73 v1(22.87,19.79)
  Bottom w0.182: v1(22.87,19.79) 22.94,19.73 arc(23.1,19.62) 23.29,19.58 23.61,19.58 arc(23.8,19.54) 23.97,19.43 24.43,18.97 arc(24.53,18.81) 24.57,18.62 24.57,16.04 arc(24.53,15.85) 24.43,15.69 23.18,14.44 arc(23.07,14.27) 23.03,14.08 v1(23.03,14.03) ; v1(21.75,6.56) 21.46,6.56 21.38,6.48 21.38,6.13 21.4,6.11 J1.15
/Interface/CSI0_D1_P: length 70.4
  Top w0.182: v1(21.13,7.18) 21.42,7.18 21.51,7.27 21.51,13.22 arc(21.55,13.41) 21.65,13.57 22.31,14.23 arc(22.41,14.39) 22.45,14.58 v1(22.45,14.62) ; v1(22.87,18.91) 22.94,18.97 arc(23.1,19.08) 23.29,19.11 23.92,19.11 arc(23.96,19.12) 23.99,19.14 24.07,19.22 arc(24.1,19.24) 24.14,19.25 34.68,19.25 34.68,19.01 arc(34.82,18.68) 35.15,18.55 35.48,18.55 arc(35.81,18.68) 35.95,19.01 35.95,19.25 38.4,19.25 arc(38.59,19.29) 38.75,19.39 45.98,26.62 arc(46.14,26.73) 46.33,26.77 51.72,26.77 arc(51.83,26.72) 51.88,26.6 51.88,26.32 arc(52.07,25.87) 52.52,25.69 arc(52.96,25.87) 53.15,26.32 53.15,27.68 arc(53.2,27.8) 53.31,27.85 arc(53.43,27.8) 53.48,27.68 53.48,27.4 arc(53.66,26.95) 54.11,26.77 62.73,26.77 arc(62.92,26.73) 63.08,26.62 65.15,24.55 arc(65.32,24.44) 65.51,24.4 66.58,24.4 66.59,24.39 J3.24
  Bottom w0.182: v1(22.45,14.62) 22.49,14.62 arc(22.68,14.65) 22.84,14.76 23.96,15.88 arc(24.07,16.04) 24.11,16.23 24.11,17.51 arc(24.06,17.63) 23.94,17.68 23.74,17.68 arc(23.63,17.73) 23.58,17.84 arc(23.63,17.96) 23.74,18.01 23.94,18.01 arc(24.06,18.06) 24.11,18.18 24.11,18.43 arc(24.07,18.62) 23.96,18.78 23.77,18.97 arc(23.61,19.08) 23.42,19.11 23.29,19.11 arc(23.1,19.08) 22.94,18.97 v1(22.87,18.91) ; J1.13 20.9,6.11 20.92,6.13 20.92,6.47 arc(20.95,6.66) 21.06,6.82 21.13,6.89 v1(21.13,7.18)
/Interface/CSI1_D0_N: length 73.4
  Top w0.182: J3.21 66.59,25.89 66.57,25.87 66.31,25.87 arc(66.12,25.91) 65.96,26.02 62.89,29.09 arc(62.73,29.19) 62.54,29.23 58.69,29.23 arc(58.58,29.28) 58.53,29.4 58.53,29.73 arc(58.34,30.18) 57.9,30.37 arc(57.45,30.18) 57.27,29.73 57.27,28.22 arc(57.22,28.1) 57.1,28.05 arc(56.98,28.1) 56.93,28.22 56.93,29.73 arc(56.75,30.18) 56.3,30.37 arc(55.85,30.18) 55.67,29.73 55.67,29.4 arc(55.62,29.28) 55.5,29.23 46.15,29.23 arc(45.96,29.19) 45.8,29.09 39.27,22.56 arc(39.2,22.51) 39.13,22.5 38.96,22.5 arc(38.89,22.48) 38.82,22.44 38.29,21.91 arc(38.19,21.75) 38.15,21.56 38.15,21.42 arc(38.11,21.23) 38,21.07 37.98,21.05 arc(37.82,20.94) 37.62,20.9 21.98,20.9 arc(21.79,20.86) 21.62,20.75 18.17,17.3 17.74,16.87 arc(17.62,16.82) 17.5,16.87 17.05,17.32 arc(16.59,17.51) 16.14,17.32 arc(15.95,16.86) 16.14,16.4 16.59,15.95 arc(16.63,15.83) 16.59,15.72 arc(16.42,15.61) 16.23,15.57 v1(16.14,15.57)
  Bottom w0.182: J1.4 18.4,12.28 18.39,12.29 18.39,15.58 arc(18.35,15.78) 18.24,15.94 18.16,16.02 arc(17.99,16.13) 17.8,16.17 17.25,16.17 arc(17.06,16.13) 16.89,16.02 16.59,15.72 arc(16.42,15.61) 16.23,15.57 v1(16.14,15.57)
